# KiCad board panel.kicad_pcb (continued)
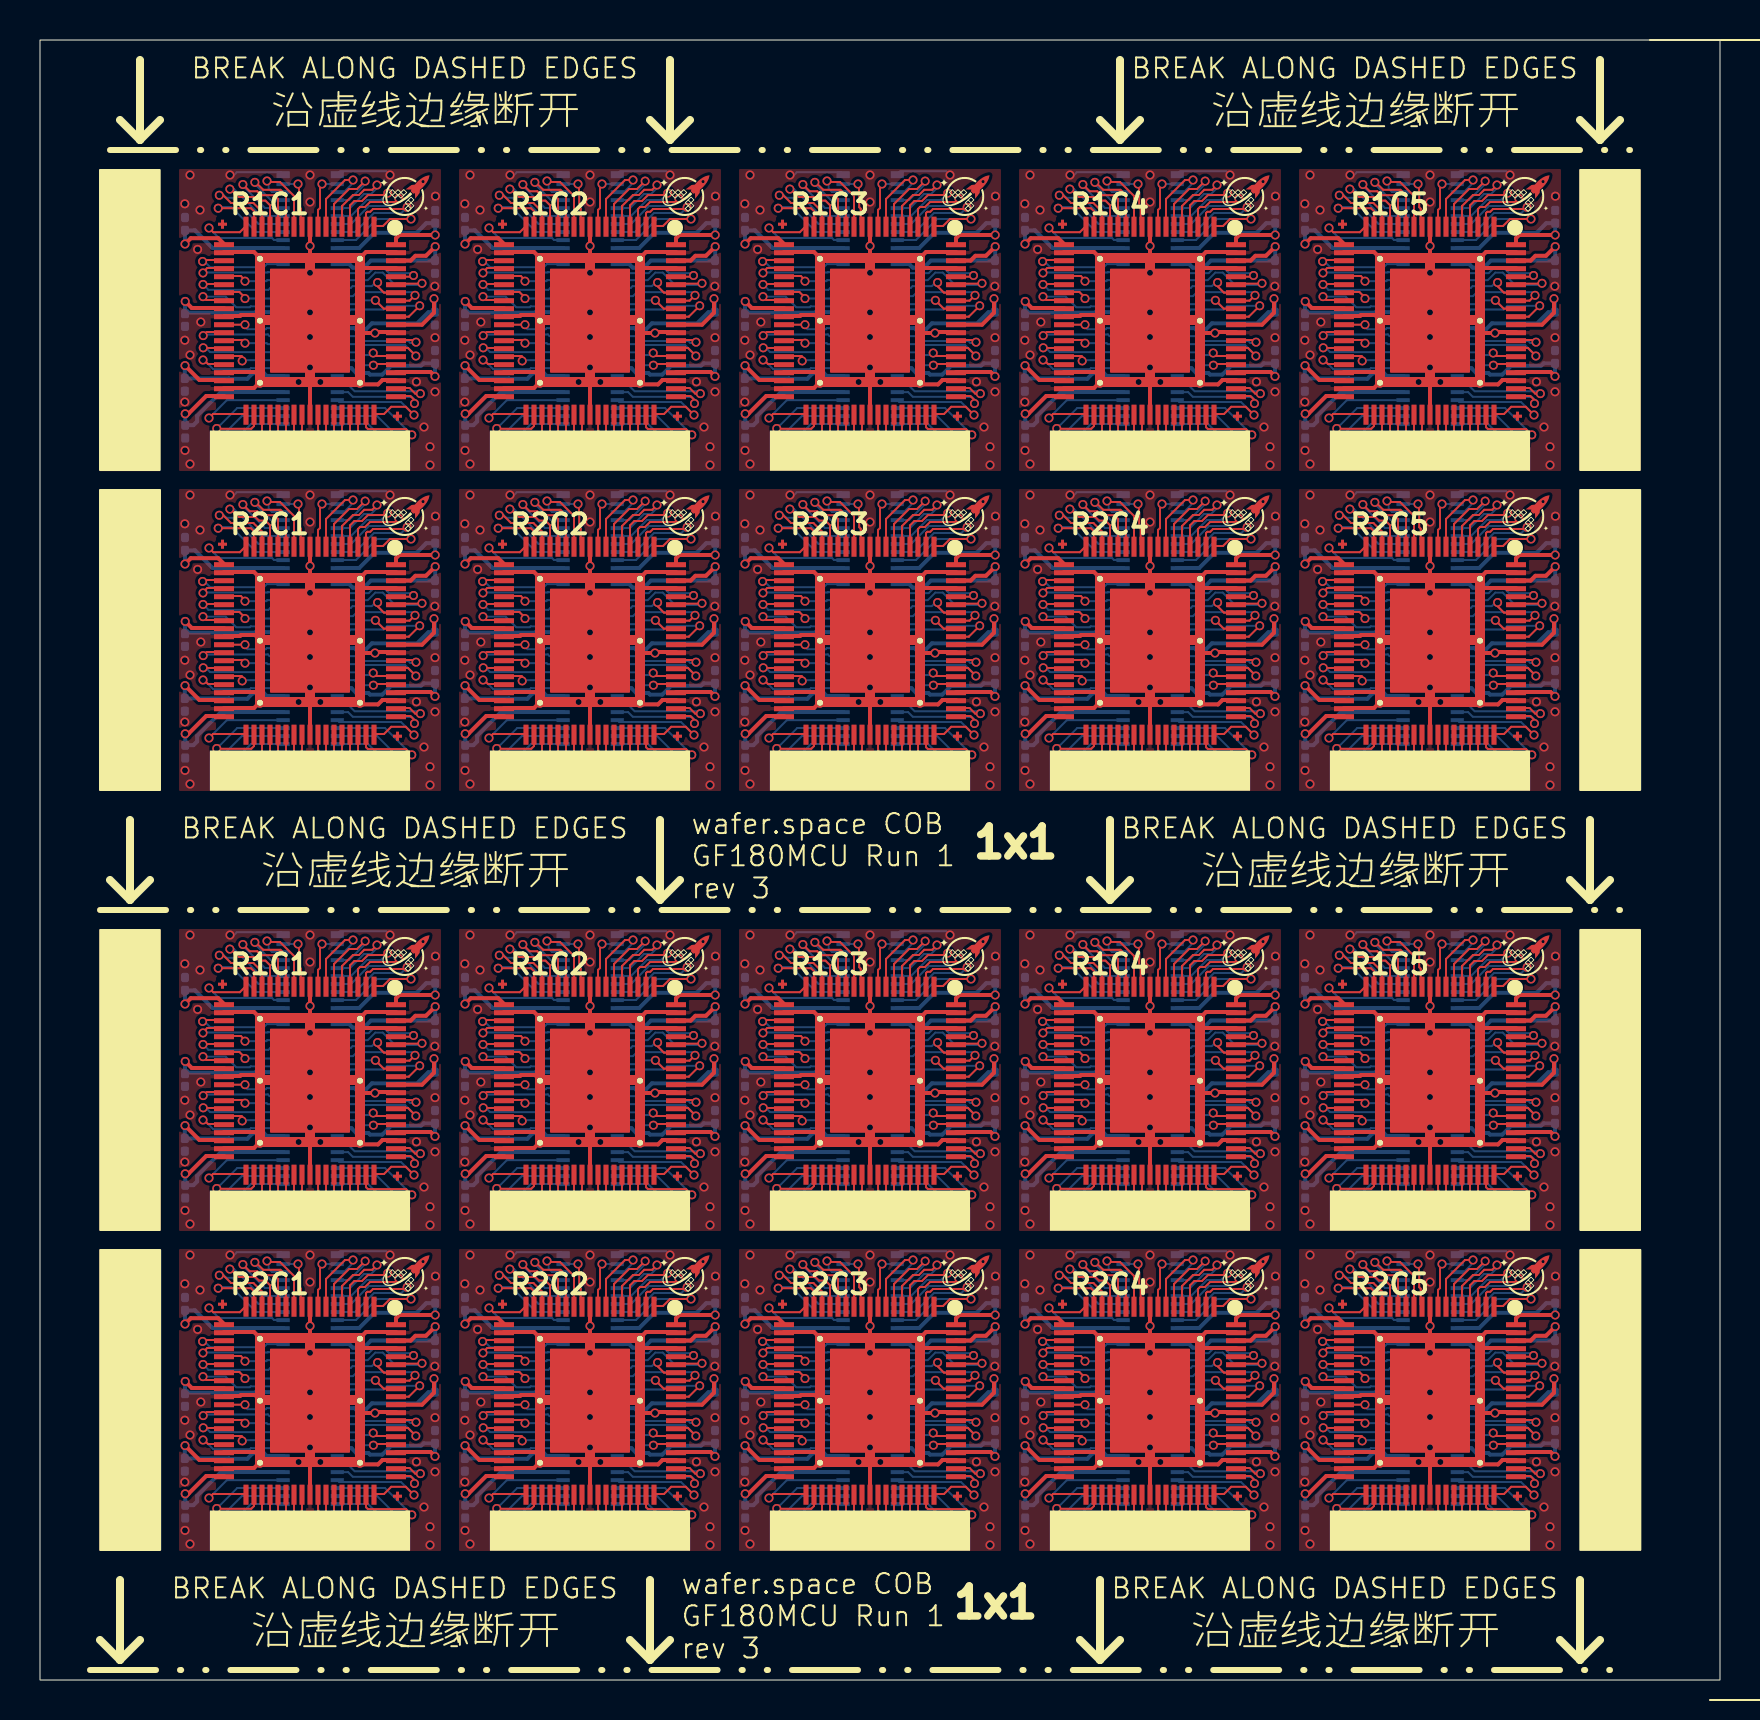
[diagram p0: board, top side]
## Routing (per net, layer and track width the routed paths; a pad name or vN(x,y) marks a point on that pad's centre or on a via; arc(x,y) is an arc through that point) (continued)
/pad_29: length 60.8
  Top w0.1: 51.2,13 52.09,13 v1(52.25,12.84) ; 23.2,67 24.09,67 v1(24.25,66.84) ; v1(52.25,28.84) 52.09,29 51.2,29 ; v1(38.25,28.84) 38.09,29 37.2,29 ; v1(66.25,28.84) 66.09,29 65.2,29 ; v1(66.25,66.84) 66.09,67 65.2,67 ; 51.2,67 52.09,67 v1(52.25,66.84) ; v1(66.25,50.84) 66.09,51 65.2,51 ; v1(52.25,50.84) 52.09,51 51.2,51 ; v1(24.25,12.84) 24.09,13 23.2,13 ; 9.2,67 10.09,67 v1(10.25,66.84) ; 37.2,67 38.09,67 v1(38.25,66.84) ; 9.2,51 10.09,51 v1(10.25,50.84) ; 23.2,51 24.09,51 v1(24.25,50.84) ; 9.2,13 10.09,13 v1(10.25,12.84) ; v1(24.25,28.84) 24.09,29 23.2,29 ; v1(38.25,50.84) 38.09,51 37.2,51 ; 37.2,13 38.09,13 v1(38.25,12.84) ; 65.2,13 66.09,13 v1(66.25,12.84) ; v1(10.25,28.84) 10.09,29 9.2,29
  Bottom w0.1: U103.50 25.38,28.8 25.33,28.84 v1(24.25,28.84) ; v1(38.25,66.84) 39.33,66.84 39.38,66.8 U105.50 ; U107#2.50 53.38,28.8 53.33,28.84 v1(52.25,28.84) ; U111.50 11.38,12.8 11.33,12.84 v1(10.25,12.84) ; v1(24.25,66.84) 25.33,66.84 25.38,66.8 U103#2.50 ; v1(10.25,50.84) 11.33,50.84 11.38,50.8 U111#2.50 ; U109.50 67.38,28.8 67.33,28.84 v1(66.25,28.84) ; U115.50 39.38,50.8 39.33,50.84 v1(38.25,50.84) ; v1(10.25,66.84) 11.33,66.84 11.38,66.8 U101#2.50 ; U113.50 25.38,12.8 25.33,12.84 v1(24.25,12.84) ; U119#2.50 67.38,12.8 67.33,12.84 v1(66.25,12.84) ; v1(10.25,28.84) 11.33,28.84 11.38,28.8 U101.50 ; U117#2.50 53.38,12.8 53.33,12.84 v1(52.25,12.84) ; v1(66.25,66.84) 67.33,66.84 67.38,66.8 U109#2.50 ; v1(38.25,28.84) 39.33,28.84 39.38,28.8 U105#2.50 ; v1(24.25,50.84) 25.33,50.84 25.38,50.8 U113#2.50 ; U115#2.50 39.38,12.8 39.33,12.84 v1(38.25,12.84) ; v1(66.25,50.84) 67.33,50.84 67.38,50.8 U119.50 ; v1(52.25,50.84) 53.33,50.84 53.38,50.8 U117.50 ; v1(52.25,66.84) 53.33,66.84 53.38,66.8 U107.50
/pad_30: length 102.5
  Top w0.1: 37.2,50.6 36.3,50.6 36.29,50.61 v1(36.16,50.61) ; 37.2,28.6 36.3,28.6 36.29,28.61 v1(36.16,28.61) ; 23.2,28.6 22.3,28.6 22.29,28.61 v1(22.16,28.61) ; 37.2,12.6 36.3,12.6 36.29,12.61 v1(36.16,12.61) ; v1(22.16,12.61) 22.29,12.61 22.3,12.6 23.2,12.6 ; 51.2,28.6 50.3,28.6 50.29,28.61 v1(50.16,28.61) ; v1(8.16,50.61) 8.29,50.61 8.3,50.6 9.2,50.6 ; 65.2,50.6 64.3,50.6 64.29,50.61 v1(64.16,50.61) ; 51.2,50.6 50.3,50.6 50.29,50.61 v1(50.16,50.61) ; 65.2,66.6 64.3,66.6 64.29,66.61 v1(64.16,66.61) ; 9.2,12.6 8.3,12.6 8.29,12.61 v1(8.16,12.61) ; 9.2,28.6 8.3,28.6 8.29,28.61 v1(8.16,28.61) ; 23.2,50.6 22.3,50.6 22.29,50.61 v1(22.16,50.61) ; v1(36.16,66.61) 36.29,66.61 36.3,66.6 37.2,66.6 ; 23.2,66.6 22.3,66.6 22.29,66.61 v1(22.16,66.61) ; 51.2,12.6 50.3,12.6 50.29,12.61 v1(50.16,12.61) ; v1(50.16,66.61) 50.29,66.61 50.3,66.6 51.2,66.6 ; v1(8.16,66.61) 8.29,66.61 8.3,66.6 9.2,66.6 ; 65.2,12.6 64.3,12.6 64.29,12.61 v1(64.16,12.61) ; v1(64.16,28.61) 64.29,28.61 64.3,28.6 65.2,28.6
  Bottom w0.1: v1(22.16,66.61) 22.29,66.61 22.51,66.4 U103#2.49 ; v1(36.16,66.61) 36.29,66.61 36.51,66.4 U105.49 ; 26.15,12.39 22.51,12.39 22.29,12.61 v1(22.16,12.61) ; 54.15,50.39 50.51,50.39 50.29,50.61 v1(50.16,50.61) ; 54.15,12.39 50.51,12.39 50.29,12.61 v1(50.16,12.61) ; 68.16,28.39 64.5,28.39 64.29,28.61 v1(64.16,28.61) ; 26.15,50.39 22.51,50.39 22.29,50.61 v1(22.16,50.61) ; v1(8.16,12.61) 8.29,12.61 8.51,12.39 12.15,12.39 ; v1(36.16,12.61) 36.29,12.61 36.51,12.39 40.15,12.39 ; 40.15,50.39 36.51,50.39 36.29,50.61 v1(36.16,50.61) ; 40.15,28.39 36.51,28.39 36.29,28.61 v1(36.16,28.61) ; v1(64.16,66.61) 64.29,66.61 64.5,66.4 U109#2.49 ; v1(64.16,50.61) 64.29,50.61 64.5,50.39 68.16,50.39 ; U101#2.49 8.51,66.4 8.29,66.61 v1(8.16,66.61) ; v1(50.16,28.61) 50.29,28.61 50.51,28.39 54.15,28.39 ; 68.16,12.39 64.5,12.39 64.29,12.61 v1(64.16,12.61) ; 26.15,28.39 22.51,28.39 22.29,28.61 v1(22.16,28.61) ; 12.15,50.39 8.51,50.39 8.29,50.61 v1(8.16,50.61) ; v1(50.16,66.61) 50.29,66.61 50.51,66.4 U107.49 ; 12.15,28.39 8.51,28.39 8.29,28.61 v1(8.16,28.61)
/pad_31: length 63.9
  Top w0.1: 51.2,12.2 52.07,12.2 52.11,12.16 v1(52.11,11.95) ; v1(24.11,65.95) 24.11,66.16 24.07,66.2 23.2,66.2 ; 51.2,66.2 52.07,66.2 52.11,66.16 v1(52.11,65.95) ; v1(38.11,65.95) 38.11,66.16 38.07,66.2 37.2,66.2 ; v1(38.11,49.95) 38.11,50.16 38.07,50.2 37.2,50.2 ; v1(66.11,11.95) 66.11,12.16 66.07,12.2 65.2,12.2 ; v1(10.11,11.95) 10.11,12.16 10.07,12.2 9.2,12.2 ; v1(52.11,27.95) 52.11,28.16 52.07,28.2 51.2,28.2 ; 23.2,50.2 24.07,50.2 24.11,50.16 v1(24.11,49.95) ; 9.2,66.2 10.07,66.2 10.11,66.16 v1(10.11,65.95) ; 9.2,50.2 10.07,50.2 10.11,50.16 v1(10.11,49.95) ; v1(24.11,11.95) 24.11,12.16 24.07,12.2 23.2,12.2 ; 65.2,50.2 66.07,50.2 66.11,50.16 v1(66.11,49.95) ; v1(38.11,11.95) 38.11,12.16 38.07,12.2 37.2,12.2 ; 65.2,66.2 66.07,66.2 66.11,66.16 v1(66.11,65.95) ; v1(24.11,27.95) 24.11,28.16 24.07,28.2 23.2,28.2 ; 65.2,28.2 66.07,28.2 66.11,28.16 v1(66.11,27.95) ; 9.2,28.2 10.07,28.2 10.11,28.16 v1(10.11,27.95) ; v1(38.11,27.95) 38.11,28.16 38.07,28.2 37.2,28.2 ; 51.2,50.2 52.07,50.2 52.11,50.16 v1(52.11,49.95)
  Bottom w0.1: U107.48 52.15,66 v1(52.11,65.95) ; v1(38.11,11.95) 38.15,12 U115#2.48 ; v1(24.11,65.95) 24.15,66 U103#2.48 ; U117#2.48 52.15,12 v1(52.11,11.95) ; U105.48 38.15,66 v1(38.11,65.95) ; v1(24.11,49.95) 24.15,50 U113#2.48 ; v1(66.11,49.95) 66.15,50 U119.48 ; U107#2.48 52.15,28 v1(52.11,27.95) ; v1(10.11,49.95) 10.15,50 U111#2.48 ; v1(52.11,49.95) 52.15,50 U117.48 ; v1(10.11,27.95) 10.15,28 U101.48 ; U101#2.48 10.15,66 v1(10.11,65.95) ; v1(38.11,27.95) 38.15,28 U105#2.48 ; U119#2.48 66.15,12 v1(66.11,11.95) ; U115.48 38.15,50 v1(38.11,49.95) ; U111.48 10.15,12 v1(10.11,11.95) ; v1(66.11,27.95) 66.15,28 U109.48 ; U109#2.48 66.15,66 v1(66.11,65.95) ; v1(24.11,11.95) 24.15,12 U113.48 ; U103.48 24.15,28 v1(24.11,27.95)
/pad_32: length 107.1
  Top w0.1: v1(64.15,66) 64.2,66 64.4,65.8 65.2,65.8 ; v1(50.15,50) 50.2,50 50.4,49.8 51.2,49.8 ; v1(22.15,66) 22.2,66 22.4,65.8 23.2,65.8 ; 37.2,49.8 36.4,49.8 36.2,50 v1(36.15,50) ; 65.2,49.8 64.4,49.8 64.2,50 v1(64.15,50) ; 37.2,27.8 36.4,27.8 36.2,28 v1(36.15,28) ; 65.2,11.8 64.4,11.8 64.2,12 v1(64.15,12) ; 9.2,27.8 8.4,27.8 8.2,28 v1(8.15,28) ; v1(64.15,28) 64.2,28 64.4,27.8 65.2,27.8 ; v1(8.15,50) 8.2,50 8.4,49.8 9.2,49.8 ; v1(8.15,12) 8.2,12 8.4,11.8 9.2,11.8 ; 23.2,49.8 22.4,49.8 22.2,50 v1(22.15,50) ; v1(50.15,28) 50.2,28 50.4,27.8 51.2,27.8 ; v1(50.15,12) 50.2,12 50.4,11.8 51.2,11.8 ; v1(22.15,12) 22.2,12 22.4,11.8 23.2,11.8 ; v1(36.15,66) 36.2,66 36.4,65.8 37.2,65.8 ; v1(22.15,28) 22.2,28 22.4,27.8 23.2,27.8 ; 37.2,11.8 36.4,11.8 36.2,12 v1(36.15,12) ; v1(50.15,66) 50.2,66 50.4,65.8 51.2,65.8 ; v1(8.15,66) 8.2,66 8.4,65.8 9.2,65.8
  Bottom w0.1: U111#2.47 10.54,49.59 10.49,49.54 8.66,49.54 8.2,50 v1(8.15,50) ; v1(22.15,50) 22.2,50 22.66,49.54 24.49,49.54 24.54,49.59 U113#2.47 ; U107.47 52.54,65.59 52.49,65.54 50.66,65.54 50.2,66 v1(50.15,66) ; v1(50.15,50) 50.2,50 50.66,49.54 52.49,49.54 52.54,49.59 U117.47 ; v1(22.15,12) 22.2,12 22.66,11.54 24.49,11.54 24.54,11.59 U113.47 ; U103#2.47 24.54,65.59 24.49,65.54 22.66,65.54 22.2,66 v1(22.15,66) ; v1(64.15,50) 64.2,50 64.66,49.54 66.49,49.54 66.54,49.59 U119.47 ; U117#2.47 52.54,11.59 52.49,11.54 50.66,11.54 50.2,12 v1(50.15,12) ; v1(8.15,28) 8.2,28 8.66,27.54 10.49,27.54 10.54,27.59 U101.47 ; v1(22.15,28) 22.2,28 22.66,27.54 24.49,27.54 24.54,27.59 U103.47 ; U109#2.47 66.54,65.59 66.49,65.54 64.66,65.54 64.2,66 v1(64.15,66) ; U105#2.47 38.54,27.59 38.49,27.54 36.66,27.54 36.2,28 v1(36.15,28) ; U101#2.47 10.54,65.59 10.49,65.54 8.66,65.54 8.2,66 v1(8.15,66) ; v1(64.15,12) 64.2,12 64.66,11.54 66.49,11.54 66.54,11.59 U119#2.47 ; v1(50.15,28) 50.2,28 50.66,27.54 52.49,27.54 52.54,27.59 U107#2.47 ; v1(36.15,50) 36.2,50 36.66,49.54 38.49,49.54 38.54,49.59 U115.47 ; U105.47 38.54,65.59 38.49,65.54 36.66,65.54 36.2,66 v1(36.15,66) ; v1(64.15,28) 64.2,28 64.66,27.54 66.49,27.54 66.54,27.59 U109.47 ; U111.47 10.54,11.59 10.49,11.54 8.66,11.54 8.2,12 v1(8.15,12) ; v1(36.15,12) 36.2,12 36.66,11.54 38.49,11.54 38.54,11.59 U115#2.47
/pad_37: length 120
  Top w0.1: v1(64.45,25.1) 64.65,25.3 66.3,25.3 ; v1(22.45,25.1) 22.65,25.3 24.3,25.3 ; 24.3,47.3 22.65,47.3 v1(22.45,47.1) ; 66.3,63.3 64.65,63.3 v1(64.45,63.1) ; 24.3,9.3 22.65,9.3 v1(22.45,9.1) ; v1(8.45,25.1) 8.65,25.3 10.3,25.3 ; 52.3,25.3 50.65,25.3 v1(50.45,25.1) ; 10.3,9.3 8.65,9.3 v1(8.45,9.1) ; v1(50.45,63.1) 50.65,63.3 52.3,63.3 ; 52.3,9.3 50.65,9.3 v1(50.45,9.1) ; 38.3,47.3 36.65,47.3 v1(36.45,47.1) ; 52.3,47.3 50.65,47.3 v1(50.45,47.1) ; v1(36.45,63.1) 36.65,63.3 38.3,63.3 ; 66.3,47.3 64.65,47.3 v1(64.45,47.1) ; 38.3,9.3 36.65,9.3 v1(36.45,9.1) ; v1(8.45,47.1) 8.65,47.3 10.3,47.3 ; 10.3,63.3 8.65,63.3 v1(8.45,63.1) ; v1(64.45,9.1) 64.65,9.3 66.3,9.3 ; 24.3,63.3 22.65,63.3 v1(22.45,63.1) ; v1(36.45,25.1) 36.65,25.3 38.3,25.3
  Bottom w0.1: v1(8.45,63.1) 9.34,63.99 12.13,63.99 12.15,64 ; v1(64.45,63.1) 65.34,63.99 68.13,63.99 68.15,64 ; v1(8.45,9.1) 9.34,9.99 12.13,9.99 12.15,10 ; 12.15,48 12.13,47.99 9.34,47.99 v1(8.45,47.1) ; v1(64.45,25.1) 65.34,25.99 68.13,25.99 68.15,26 ; v1(36.45,63.1) 37.34,63.99 40.13,63.99 40.15,64 ; v1(22.45,25.1) 23.34,25.99 26.13,25.99 26.15,26 ; 54.15,48 54.13,47.99 51.34,47.99 v1(50.45,47.1) ; 26.15,10 26.13,9.99 23.34,9.99 v1(22.45,9.1) ; 68.15,48 68.13,47.99 65.34,47.99 v1(64.45,47.1) ; v1(22.45,47.1) 23.34,47.99 26.13,47.99 26.15,48 ; 54.15,64 54.13,63.99 51.34,63.99 v1(50.45,63.1) ; 40.15,26 40.13,25.99 37.34,25.99 v1(36.45,25.1) ; 40.15,10 40.13,9.99 37.34,9.99 v1(36.45,9.1) ; 54.15,10 54.13,9.99 51.34,9.99 v1(50.45,9.1) ; v1(8.45,25.1) 9.34,25.99 12.13,25.99 12.15,26 ; 26.15,64 26.13,63.99 23.34,63.99 v1(22.45,63.1) ; v1(64.45,9.1) 65.34,9.99 68.13,9.99 68.15,10 ; v1(36.45,47.1) 37.34,47.99 40.13,47.99 40.15,48 ; 54.15,26 54.13,25.99 51.34,25.99 v1(50.45,25.1)
/pad_38: length 125.1
  Top w0.1: v1(64.84,46.58) 64.85,46.56 66.56,46.56 66.7,46.7 66.7,47.3 ; v1(36.84,24.58) 36.85,24.56 38.56,24.56 38.7,24.7 38.7,25.3 ; v1(36.84,8.58) 36.85,8.56 38.56,8.56 38.7,8.7 38.7,9.3 ; v1(22.84,62.58) 22.85,62.56 24.56,62.56 24.7,62.7 24.7,63.3 ; v1(64.84,24.58) 64.85,24.56 66.56,24.56 66.7,24.7 66.7,25.3 ; v1(22.84,8.58) 22.85,8.56 24.56,8.56 24.7,8.7 24.7,9.3 ; v1(8.84,24.58) 8.85,24.56 10.56,24.56 10.7,24.7 10.7,25.3 ; 10.7,47.3 10.7,46.7 10.56,46.56 8.85,46.56 v1(8.84,46.58) ; 52.7,63.3 52.7,62.7 52.56,62.56 50.85,62.56 v1(50.84,62.58) ; 24.7,47.3 24.7,46.7 24.56,46.56 22.85,46.56 v1(22.84,46.58) ; 66.7,9.3 66.7,8.7 66.56,8.56 64.85,8.56 v1(64.84,8.58) ; v1(36.84,46.58) 36.85,46.56 38.56,46.56 38.7,46.7 38.7,47.3 ; 66.7,63.3 66.7,62.7 66.56,62.56 64.85,62.56 v1(64.84,62.58) ; 52.7,9.3 52.7,8.7 52.56,8.56 50.85,8.56 v1(50.84,8.58) ; v1(8.84,8.58) 8.85,8.56 10.56,8.56 10.7,8.7 10.7,9.3 ; 38.7,63.3 38.7,62.7 38.56,62.56 36.85,62.56 v1(36.84,62.58) ; 52.7,47.3 52.7,46.7 52.56,46.56 50.85,46.56 v1(50.84,46.58) ; v1(50.84,24.58) 50.85,24.56 52.56,24.56 52.7,24.7 52.7,25.3 ; v1(22.84,24.58) 22.85,24.56 24.56,24.56 24.7,24.7 24.7,25.3 ; 10.7,63.3 10.7,62.7 10.56,62.56 8.85,62.56 v1(8.84,62.58)
  Bottom w0.1: v1(36.84,24.58) 37.86,25.6 40.15,25.6 ; 12.15,9.6 9.86,9.6 v1(8.84,8.58) ; 26.15,63.6 23.86,63.6 v1(22.84,62.58) ; 40.15,9.6 37.86,9.6 v1(36.84,8.58) ; 54.15,47.6 51.86,47.6 v1(50.84,46.58) ; v1(22.84,8.58) 23.86,9.6 26.15,9.6 ; 68.15,9.6 65.86,9.6 v1(64.84,8.58) ; 68.15,47.6 65.86,47.6 v1(64.84,46.58) ; 40.15,47.6 37.86,47.6 v1(36.84,46.58) ; 54.15,63.6 51.86,63.6 v1(50.84,62.58) ; 12.15,25.6 9.86,25.6 v1(8.84,24.58) ; 12.15,47.6 9.86,47.6 v1(8.84,46.58) ; 40.15,63.6 37.86,63.6 v1(36.84,62.58) ; v1(22.84,24.58) 23.86,25.6 26.15,25.6 ; 54.15,25.6 51.86,25.6 v1(50.84,24.58) ; v1(22.84,46.58) 23.86,47.6 26.15,47.6 ; 54.15,9.6 51.86,9.6 v1(50.84,8.58) ; 68.15,63.6 65.86,63.6 v1(64.84,62.58) ; 12.15,63.6 9.86,63.6 v1(8.84,62.58) ; 68.15,25.6 65.86,25.6 v1(64.84,24.58)
/pad_39: length 138.3
  Top w0.1: v1(22.98,23.98) 23.3,24.3 25,24.3 25.1,24.4 25.1,25.3 ; v1(36.98,7.98) 37.3,8.3 39,8.3 39.1,8.4 39.1,9.3 ; 11.1,25.3 11.1,24.4 11,24.3 9.3,24.3 v1(8.98,23.98) ; 39.1,47.3 39.1,46.4 39,46.3 37.3,46.3 v1(36.98,45.98) ; 39.1,25.3 39.1,24.4 39,24.3 37.3,24.3 v1(36.98,23.98) ; v1(50.98,7.98) 51.3,8.3 53,8.3 53.1,8.4 53.1,9.3 ; v1(8.98,61.98) 9.3,62.3 11,62.3 11.1,62.4 11.1,63.3 ; 53.1,25.3 53.1,24.4 53,24.3 51.3,24.3 v1(50.98,23.98) ; v1(50.98,61.98) 51.3,62.3 53,62.3 53.1,62.4 53.1,63.3 ; v1(64.98,61.98) 65.3,62.3 67,62.3 67.1,62.4 67.1,63.3 ; v1(50.98,45.98) 51.3,46.3 53,46.3 53.1,46.4 53.1,47.3 ; 25.1,47.3 25.1,46.4 25,46.3 23.3,46.3 v1(22.98,45.98) ; 11.1,9.3 11.1,8.4 11,8.3 9.3,8.3 v1(8.98,7.98) ; v1(8.98,45.98) 9.3,46.3 11,46.3 11.1,46.4 11.1,47.3 ; 67.1,25.3 67.1,24.4 67,24.3 65.3,24.3 v1(64.98,23.98) ; 67.1,9.3 67.1,8.4 67,8.3 65.3,8.3 v1(64.98,7.98) ; v1(22.98,61.98) 23.3,62.3 25,62.3 25.1,62.4 25.1,63.3 ; 25.1,9.3 25.1,8.4 25,8.3 23.3,8.3 v1(22.98,7.98) ; v1(64.98,45.98) 65.3,46.3 67,46.3 67.1,46.4 67.1,47.3 ; v1(36.98,61.98) 37.3,62.3 39,62.3 39.1,62.4 39.1,63.3
  Bottom w0.1: v1(36.98,7.98) 36.98,8.08 38.1,9.2 40.15,9.2 ; 54.15,63.2 52.1,63.2 50.98,62.08 v1(50.98,61.98) ; v1(22.98,61.98) 22.98,62.08 24.1,63.2 26.15,63.2 ; 68.15,63.2 66.1,63.2 64.98,62.08 v1(64.98,61.98) ; v1(64.98,45.98) 64.98,46.08 66.1,47.2 68.15,47.2 ; v1(22.98,23.98) 22.98,24.08 24.1,25.2 26.15,25.2 ; v1(8.98,61.98) 8.98,62.08 10.1,63.2 12.15,63.2 ; 54.15,9.2 52.1,9.2 50.98,8.08 v1(50.98,7.98) ; v1(8.98,45.98) 8.98,46.08 10.1,47.2 12.15,47.2 ; 40.15,63.2 38.1,63.2 36.98,62.08 v1(36.98,61.98) ; 40.15,47.2 38.1,47.2 36.98,46.08 v1(36.98,45.98) ; v1(50.98,45.98) 50.98,46.08 52.1,47.2 54.15,47.2 ; 26.15,9.2 24.1,9.2 22.98,8.08 v1(22.98,7.98) ; v1(50.98,23.98) 50.98,24.08 52.1,25.2 54.15,25.2 ; v1(64.98,7.98) 64.98,8.08 66.1,9.2 68.15,9.2 ; 12.15,9.2 10.1,9.2 8.98,8.08 v1(8.98,7.98) ; v1(22.98,45.98) 22.98,46.08 24.1,47.2 26.15,47.2 ; v1(8.98,23.98) 8.98,24.08 10.1,25.2 12.15,25.2 ; 68.15,25.2 66.1,25.2 64.98,24.08 v1(64.98,23.98) ; v1(36.98,23.98) 36.98,24.08 38.1,25.2 40.15,25.2
/pad_40: length 122.3
  Top w0.1: v1(65.57,61.82) 65.75,62 67.2,62 67.5,62.3 67.5,63.3 ; v1(9.57,45.82) 9.75,46 11.2,46 11.5,46.3 11.5,47.3 ; 53.5,47.3 53.5,46.3 53.2,46 51.75,46 v1(51.57,45.82) ; 25.5,63.3 25.5,62.3 25.2,62 23.75,62 v1(23.57,61.82) ; v1(23.57,23.82) 23.75,24 25.2,24 25.5,24.3 25.5,25.3 ; 11.5,63.3 11.5,62.3 11.2,62 9.75,62 v1(9.57,61.82) ; v1(37.57,61.82) 37.75,62 39.2,62 39.5,62.3 39.5,63.3 ; 67.5,9.3 67.5,8.3 67.2,8 65.75,8 v1(65.57,7.82) ; 25.5,9.3 25.5,8.3 25.2,8 23.75,8 v1(23.57,7.82) ; v1(23.57,45.82) 23.75,46 25.2,46 25.5,46.3 25.5,47.3 ; v1(37.57,7.82) 37.75,8 39.2,8 39.5,8.3 39.5,9.3 ; 11.5,9.3 11.5,8.3 11.2,8 9.75,8 v1(9.57,7.82) ; v1(37.57,23.82) 37.75,24 39.2,24 39.5,24.3 39.5,25.3 ; 11.5,25.3 11.5,24.3 11.2,24 9.75,24 v1(9.57,23.82) ; v1(65.57,23.82) 65.75,24 67.2,24 67.5,24.3 67.5,25.3 ; 39.5,47.3 39.5,46.3 39.2,46 37.75,46 v1(37.57,45.82) ; 53.5,63.3 53.5,62.3 53.2,62 51.75,62 v1(51.57,61.82) ; v1(51.57,23.82) 51.75,24 53.2,24 53.5,24.3 53.5,25.3 ; v1(51.57,7.82) 51.75,8 53.2,8 53.5,8.3 53.5,9.3 ; 67.5,47.3 67.5,46.3 67.2,46 65.75,46 v1(65.57,45.82)
  Bottom w0.1: 54.15,62.8 52.55,62.8 v1(51.57,61.82) ; 26.15,8.8 24.55,8.8 v1(23.57,7.82) ; v1(9.57,61.82) 10.55,62.8 12.15,62.8 ; v1(65.57,23.82) 66.55,24.8 68.15,24.8 ; 26.15,46.8 24.55,46.8 v1(23.57,45.82) ; 68.15,62.8 66.55,62.8 v1(65.57,61.82) ; v1(9.57,23.82) 10.55,24.8 12.15,24.8 ; v1(51.57,45.82) 52.55,46.8 54.15,46.8 ; v1(51.57,7.82) 52.55,8.8 54.15,8.8 ; 40.15,46.8 38.55,46.8 v1(37.57,45.82) ; v1(9.57,7.82) 10.55,8.8 12.15,8.8 ; v1(65.57,7.82) 66.55,8.8 68.15,8.8 ; v1(37.57,7.82) 38.55,8.8 40.15,8.8 ; 40.15,62.8 38.55,62.8 v1(37.57,61.82) ; v1(9.57,45.82) 10.55,46.8 12.15,46.8 ; v1(51.57,23.82) 52.55,24.8 54.15,24.8 ; 26.15,62.8 24.55,62.8 v1(23.57,61.82) ; 40.15,24.8 38.55,24.8 v1(37.57,23.82) ; 68.15,46.8 66.55,46.8 v1(65.57,45.82) ; v1(23.57,23.82) 24.55,24.8 26.15,24.8
/pad_41: length 111
  Top w0.1: v1(52.1,45.52) 52.28,45.7 53.35,45.7 53.9,46.25 53.9,47.3 ; 25.9,47.3 25.9,46.25 25.35,45.7 24.28,45.7 v1(24.1,45.52) ; v1(66.1,7.52) 66.28,7.7 67.35,7.7 67.9,8.25 67.9,9.3 ; 53.9,25.3 53.9,24.25 53.35,23.7 52.28,23.7 v1(52.1,23.52) ; v1(38.1,7.52) 38.28,7.7 39.35,7.7 39.9,8.25 39.9,9.3 ; 11.9,9.3 11.9,8.25 11.35,7.7 10.28,7.7 v1(10.1,7.52) ; 39.9,47.3 39.9,46.25 39.35,45.7 38.28,45.7 v1(38.1,45.52) ; 53.9,9.3 53.9,8.25 53.35,7.7 52.28,7.7 v1(52.1,7.52) ; 11.9,47.3 11.9,46.25 11.35,45.7 10.28,45.7 v1(10.1,45.52) ; v1(10.1,23.52) 10.28,23.7 11.35,23.7 11.9,24.25 11.9,25.3 ; 25.9,63.3 25.9,62.25 25.35,61.7 24.28,61.7 v1(24.1,61.52) ; 39.9,25.3 39.9,24.25 39.35,23.7 38.28,23.7 v1(38.1,23.52) ; v1(10.1,61.52) 10.28,61.7 11.35,61.7 11.9,62.25 11.9,63.3 ; 67.9,63.3 67.9,62.25 67.35,61.7 66.28,61.7 v1(66.1,61.52) ; v1(52.1,61.52) 52.28,61.7 53.35,61.7 53.9,62.25 53.9,63.3 ; v1(24.1,7.52) 24.28,7.7 25.35,7.7 25.9,8.25 25.9,9.3 ; v1(38.1,61.52) 38.28,61.7 39.35,61.7 39.9,62.25 39.9,63.3 ; v1(66.1,45.52) 66.28,45.7 67.35,45.7 67.9,46.25 67.9,47.3 ; v1(66.1,23.52) 66.28,23.7 67.35,23.7 67.9,24.25 67.9,25.3 ; 25.9,25.3 25.9,24.25 25.35,23.7 24.28,23.7 v1(24.1,23.52)
  Bottom w0.1: v1(52.1,45.52) 52.98,46.4 54.15,46.4 ; v1(10.1,7.52) 10.98,8.4 12.15,8.4 ; v1(66.1,45.52) 66.98,46.4 68.15,46.4 ; 26.15,8.4 24.98,8.4 v1(24.1,7.52) ; 68.15,8.4 66.98,8.4 v1(66.1,7.52) ; v1(52.1,7.52) 52.98,8.4 54.15,8.4 ; v1(38.1,7.52) 38.98,8.4 40.15,8.4 ; v1(66.1,23.52) 66.98,24.4 68.15,24.4 ; 40.15,24.4 38.98,24.4 v1(38.1,23.52) ; 26.15,62.4 24.98,62.4 v1(24.1,61.52) ; v1(10.1,61.52) 10.98,62.4 12.15,62.4 ; v1(52.1,23.52) 52.98,24.4 54.15,24.4 ; v1(66.1,61.52) 66.98,62.4 68.15,62.4 ; 12.15,46.4 10.98,46.4 v1(10.1,45.52) ; 26.15,24.4 24.98,24.4 v1(24.1,23.52) ; v1(38.1,45.52) 38.98,46.4 40.15,46.4 ; 40.15,62.4 38.98,62.4 v1(38.1,61.52) ; v1(52.1,61.52) 52.98,62.4 54.15,62.4 ; 12.15,24.4 10.98,24.4 v1(10.1,23.52) ; v1(24.1,45.52) 24.98,46.4 26.15,46.4
/pad_42: length 98.7
  Top w0.1: v1(52.65,45.25) 52.84,45.44 53.51,45.44 54.3,46.22 54.3,47.3 ; 26.3,25.3 26.3,24.22 25.51,23.44 24.84,23.44 v1(24.65,23.25) ; 12.3,25.3 12.3,24.22 11.51,23.44 10.84,23.44 v1(10.65,23.25) ; v1(38.65,7.25) 38.84,7.44 39.51,7.44 40.3,8.22 40.3,9.3 ; 12.3,63.3 12.3,62.22 11.51,61.44 10.84,61.44 v1(10.65,61.25) ; v1(38.65,61.25) 38.84,61.44 39.51,61.44 40.3,62.22 40.3,63.3 ; v1(66.65,61.25) 66.84,61.44 67.51,61.44 68.3,62.22 68.3,63.3 ; 40.3,47.3 40.3,46.22 39.51,45.44 38.84,45.44 v1(38.65,45.25) ; v1(38.65,23.25) 38.84,23.44 39.51,23.44 40.3,24.22 40.3,25.3 ; 68.3,9.3 68.3,8.22 67.51,7.44 66.84,7.44 v1(66.65,7.25) ; 26.3,47.3 26.3,46.22 25.51,45.44 24.84,45.44 v1(24.65,45.25) ; 12.3,9.3 12.3,8.22 11.51,7.44 10.84,7.44 v1(10.65,7.25) ; 26.3,63.3 26.3,62.22 25.51,61.44 24.84,61.44 v1(24.65,61.25) ; 26.3,9.3 26.3,8.22 25.51,7.44 24.84,7.44 v1(24.65,7.25) ; v1(52.65,61.25) 52.84,61.44 53.51,61.44 54.3,62.22 54.3,63.3 ; 54.3,9.3 54.3,8.22 53.51,7.44 52.84,7.44 v1(52.65,7.25) ; v1(52.65,23.25) 52.84,23.44 53.51,23.44 54.3,24.22 54.3,25.3 ; 68.3,25.3 68.3,24.22 67.51,23.44 66.84,23.44 v1(66.65,23.25) ; v1(66.65,45.25) 66.84,45.44 67.51,45.44 68.3,46.22 68.3,47.3 ; v1(10.65,45.25) 10.84,45.44 11.51,45.44 12.3,46.22 12.3,47.3
  Bottom w0.1: 12.15,62 11.7,62 11.25,61.55 10.95,61.55 v1(10.65,61.25) ; v1(66.65,7.25) 66.95,7.55 67.25,7.55 67.7,8 68.15,8 ; v1(52.65,23.25) 52.95,23.55 53.25,23.55 53.7,24 54.15,24 ; v1(38.65,23.25) 38.95,23.55 39.25,23.55 39.7,24 40.15,24 ; v1(52.65,45.25) 52.95,45.55 53.25,45.55 53.7,46 54.15,46 ; v1(24.65,61.25) 24.95,61.55 25.25,61.55 25.7,62 26.15,62 ; v1(10.65,45.25) 10.95,45.55 11.25,45.55 11.7,46 12.15,46 ; 54.15,8 53.7,8 53.25,7.55 52.95,7.55 v1(52.65,7.25) ; 68.15,62 67.7,62 67.25,61.55 66.95,61.55 v1(66.65,61.25) ; 54.15,62 53.7,62 53.25,61.55 52.95,61.55 v1(52.65,61.25) ; 12.15,24 11.7,24 11.25,23.55 10.95,23.55 v1(10.65,23.25) ; v1(10.65,7.25) 10.95,7.55 11.25,7.55 11.7,8 12.15,8 ; 68.15,46 67.7,46 67.25,45.55 66.95,45.55 v1(66.65,45.25) ; 26.15,46 25.7,46 25.25,45.55 24.95,45.55 v1(24.65,45.25) ; v1(38.65,7.25) 38.95,7.55 39.25,7.55 39.7,8 40.15,8 ; 68.15,24 67.7,24 67.25,23.55 66.95,23.55 v1(66.65,23.25) ; v1(24.65,23.25) 24.95,23.55 25.25,23.55 25.7,24 26.15,24 ; 40.15,62 39.7,62 39.25,61.55 38.95,61.55 v1(38.65,61.25) ; v1(38.65,45.25) 38.95,45.55 39.25,45.55 39.7,46 40.15,46 ; v1(24.65,7.25) 24.95,7.55 25.25,7.55 25.7,8 26.15,8
/pad_43: length 87
  Top w0.1: v1(53.2,7) 53.21,7 53.5,7 54.7,8.2 54.7,9.3 ; 26.7,9.3 26.7,8.2 25.5,7 25.21,7 v1(25.2,7) ; v1(67.2,7) 67.21,7 67.5,7 68.7,8.2 68.7,9.3 ; 54.7,63.3 54.7,62.2 53.5,61 53.21,61 v1(53.2,61) ; v1(39.2,61) 39.21,61 39.5,61 40.7,62.2 40.7,63.3 ; v1(67.2,45) 67.21,45 67.5,45 68.7,46.2 68.7,47.3 ; v1(25.2,61) 25.21,61 25.5,61 26.7,62.2 26.7,63.3 ; v1(67.2,23) 67.21,23 67.5,23 68.7,24.2 68.7,25.3 ; v1(67.2,61) 67.21,61 67.5,61 68.7,62.2 68.7,63.3 ; 26.7,47.3 26.7,46.2 25.5,45 25.21,45 v1(25.2,45) ; v1(39.2,7) 39.21,7 39.5,7 40.7,8.2 40.7,9.3 ; v1(11.2,61) 11.21,61 11.5,61 12.7,62.2 12.7,63.3 ; v1(11.2,23) 11.21,23 11.5,23 12.7,24.2 12.7,25.3 ; 54.7,25.3 54.7,24.2 53.5,23 53.21,23 v1(53.2,23) ; v1(39.2,23) 39.21,23 39.5,23 40.7,24.2 40.7,25.3 ; 26.7,25.3 26.7,24.2 25.5,23 25.21,23 v1(25.2,23) ; 12.7,9.3 12.7,8.2 11.5,7 11.21,7 v1(11.2,7) ; 40.7,47.3 40.7,46.2 39.5,45 39.21,45 v1(39.2,45) ; 12.7,47.3 12.7,46.2 11.5,45 11.21,45 v1(11.2,45) ; 54.7,47.3 54.7,46.2 53.5,45 53.21,45 v1(53.2,45)
  Bottom w0.1: v1(25.2,23) 25.3,23.09 25.3,23.2 25.7,23.6 26.15,23.6 ; 12.15,61.6 11.7,61.6 11.3,61.2 11.3,61.09 v1(11.2,61) ; v1(53.2,61) 53.3,61.09 53.3,61.2 53.7,61.6 54.15,61.6 ; 12.15,45.6 11.7,45.6 11.3,45.2 11.3,45.09 v1(11.2,45) ; v1(25.2,7) 25.3,7.09 25.3,7.2 25.7,7.6 26.15,7.6 ; v1(39.2,7) 39.3,7.09 39.3,7.2 39.7,7.6 40.15,7.6 ; v1(53.2,7) 53.3,7.09 53.3,7.2 53.7,7.6 54.15,7.6 ; v1(39.2,23) 39.3,23.09 39.3,23.2 39.7,23.6 40.15,23.6 ; 26.15,45.6 25.7,45.6 25.3,45.2 25.3,45.09 v1(25.2,45) ; 54.15,23.6 53.7,23.6 53.3,23.2 53.3,23.09 v1(53.2,23) ; 54.15,45.6 53.7,45.6 53.3,45.2 53.3,45.09 v1(53.2,45) ; v1(11.2,7) 11.3,7.09 11.3,7.2 11.7,7.6 12.15,7.6 ; v1(39.2,61) 39.3,61.09 39.3,61.2 39.7,61.6 40.15,61.6 ; 12.15,23.6 11.7,23.6 11.3,23.2 11.3,23.09 v1(11.2,23) ; 68.15,45.6 67.7,45.6 67.3,45.2 67.3,45.09 v1(67.2,45) ; 68.15,7.6 67.7,7.6 67.3,7.2 67.3,7.09 v1(67.2,7) ; 68.15,61.6 67.7,61.6 67.3,61.2 67.3,61.09 v1(67.2,61) ; v1(67.2,23) 67.3,23.09 67.3,23.2 67.7,23.6 68.15,23.6 ; v1(25.2,61) 25.3,61.09 25.3,61.2 25.7,61.6 26.15,61.6 ; v1(39.2,45) 39.3,45.09 39.3,45.2 39.7,45.6 40.15,45.6
/pad_44: length 57.6
  Top w0.1: 41.1,9.3 41.1,8.5 40.96,8.36 40.96,8.09 40.8,7.93 v1(40.8,7.2) ; v1(40.8,61.2) 40.8,61.93 40.96,62.09 40.96,62.36 41.1,62.5 41.1,63.3 ; 55.1,63.3 55.1,62.5 54.96,62.36 54.96,62.09 54.8,61.93 v1(54.8,61.2) ; 13.1,25.3 13.1,24.5 12.96,24.36 12.96,24.09 12.8,23.93 v1(12.8,23.2) ; v1(68.8,23.2) 68.8,23.93 68.96,24.09 68.96,24.36 69.1,24.5 69.1,25.3 ; 13.1,63.3 13.1,62.5 12.96,62.36 12.96,62.09 12.8,61.93 v1(12.8,61.2) ; v1(12.8,45.2) 12.8,45.93 12.96,46.09 12.96,46.36 13.1,46.5 13.1,47.3 ; v1(68.8,61.2) 68.8,61.93 68.96,62.09 68.96,62.36 69.1,62.5 69.1,63.3 ; 41.1,25.3 41.1,24.5 40.96,24.36 40.96,24.09 40.8,23.93 v1(40.8,23.2) ; v1(26.8,61.2) 26.8,61.93 26.96,62.09 26.96,62.36 27.1,62.5 27.1,63.3 ; 69.1,9.3 69.1,8.5 68.96,8.36 68.96,8.09 68.8,7.93 v1(68.8,7.2) ; 27.1,25.3 27.1,24.5 26.96,24.36 26.96,24.09 26.8,23.93 v1(26.8,23.2) ; v1(26.8,45.2) 26.8,45.93 26.96,46.09 26.96,46.36 27.1,46.5 27.1,47.3 ; v1(54.8,7.2) 54.8,7.93 54.96,8.09 54.96,8.36 55.1,8.5 55.1,9.3 ; 55.1,47.3 55.1,46.5 54.96,46.36 54.96,46.09 54.8,45.93 v1(54.8,45.2) ; 27.1,9.3 27.1,8.5 26.96,8.36 26.96,8.09 26.8,7.93 v1(26.8,7.2) ; v1(40.8,45.2) 40.8,45.93 40.96,46.09 40.96,46.36 41.1,46.5 41.1,47.3 ; v1(68.8,45.2) 68.8,45.93 68.96,46.09 68.96,46.36 69.1,46.5 69.1,47.3 ; v1(54.8,23.2) 54.8,23.93 54.96,24.09 54.96,24.36 55.1,24.5 55.1,25.3 ; 13.1,9.3 13.1,8.5 12.96,8.36 12.96,8.09 12.8,7.93 v1(12.8,7.2)
  Bottom w0.1: v1(40.8,61.2) 40.15,61.2 ; v1(12.8,61.2) 12.15,61.2 ; v1(40.8,7.2) 40.15,7.2 ; v1(68.8,23.2) 68.15,23.2 ; v1(54.8,45.2) 54.15,45.2 ; v1(40.8,23.2) 40.15,23.2 ; v1(12.8,7.2) 12.15,7.2 ; v1(54.8,23.2) 54.15,23.2 ; v1(40.8,45.2) 40.15,45.2 ; v1(26.8,7.2) 26.15,7.2 ; v1(12.8,45.2) 12.15,45.2 ; v1(26.8,61.2) 26.15,61.2 ; v1(68.8,61.2) 68.15,61.2 ; v1(54.8,61.2) 54.15,61.2 ; v1(54.8,7.2) 54.15,7.2 ; v1(68.8,45.2) 68.15,45.2 ; v1(12.8,23.2) 12.15,23.2 ; v1(26.8,23.2) 26.15,23.2 ; v1(26.8,45.2) 26.15,45.2 ; v1(68.8,7.2) 68.15,7.2
